# Altium PCB 1166V31.PcbDoc (part 6 of 7) (continued)
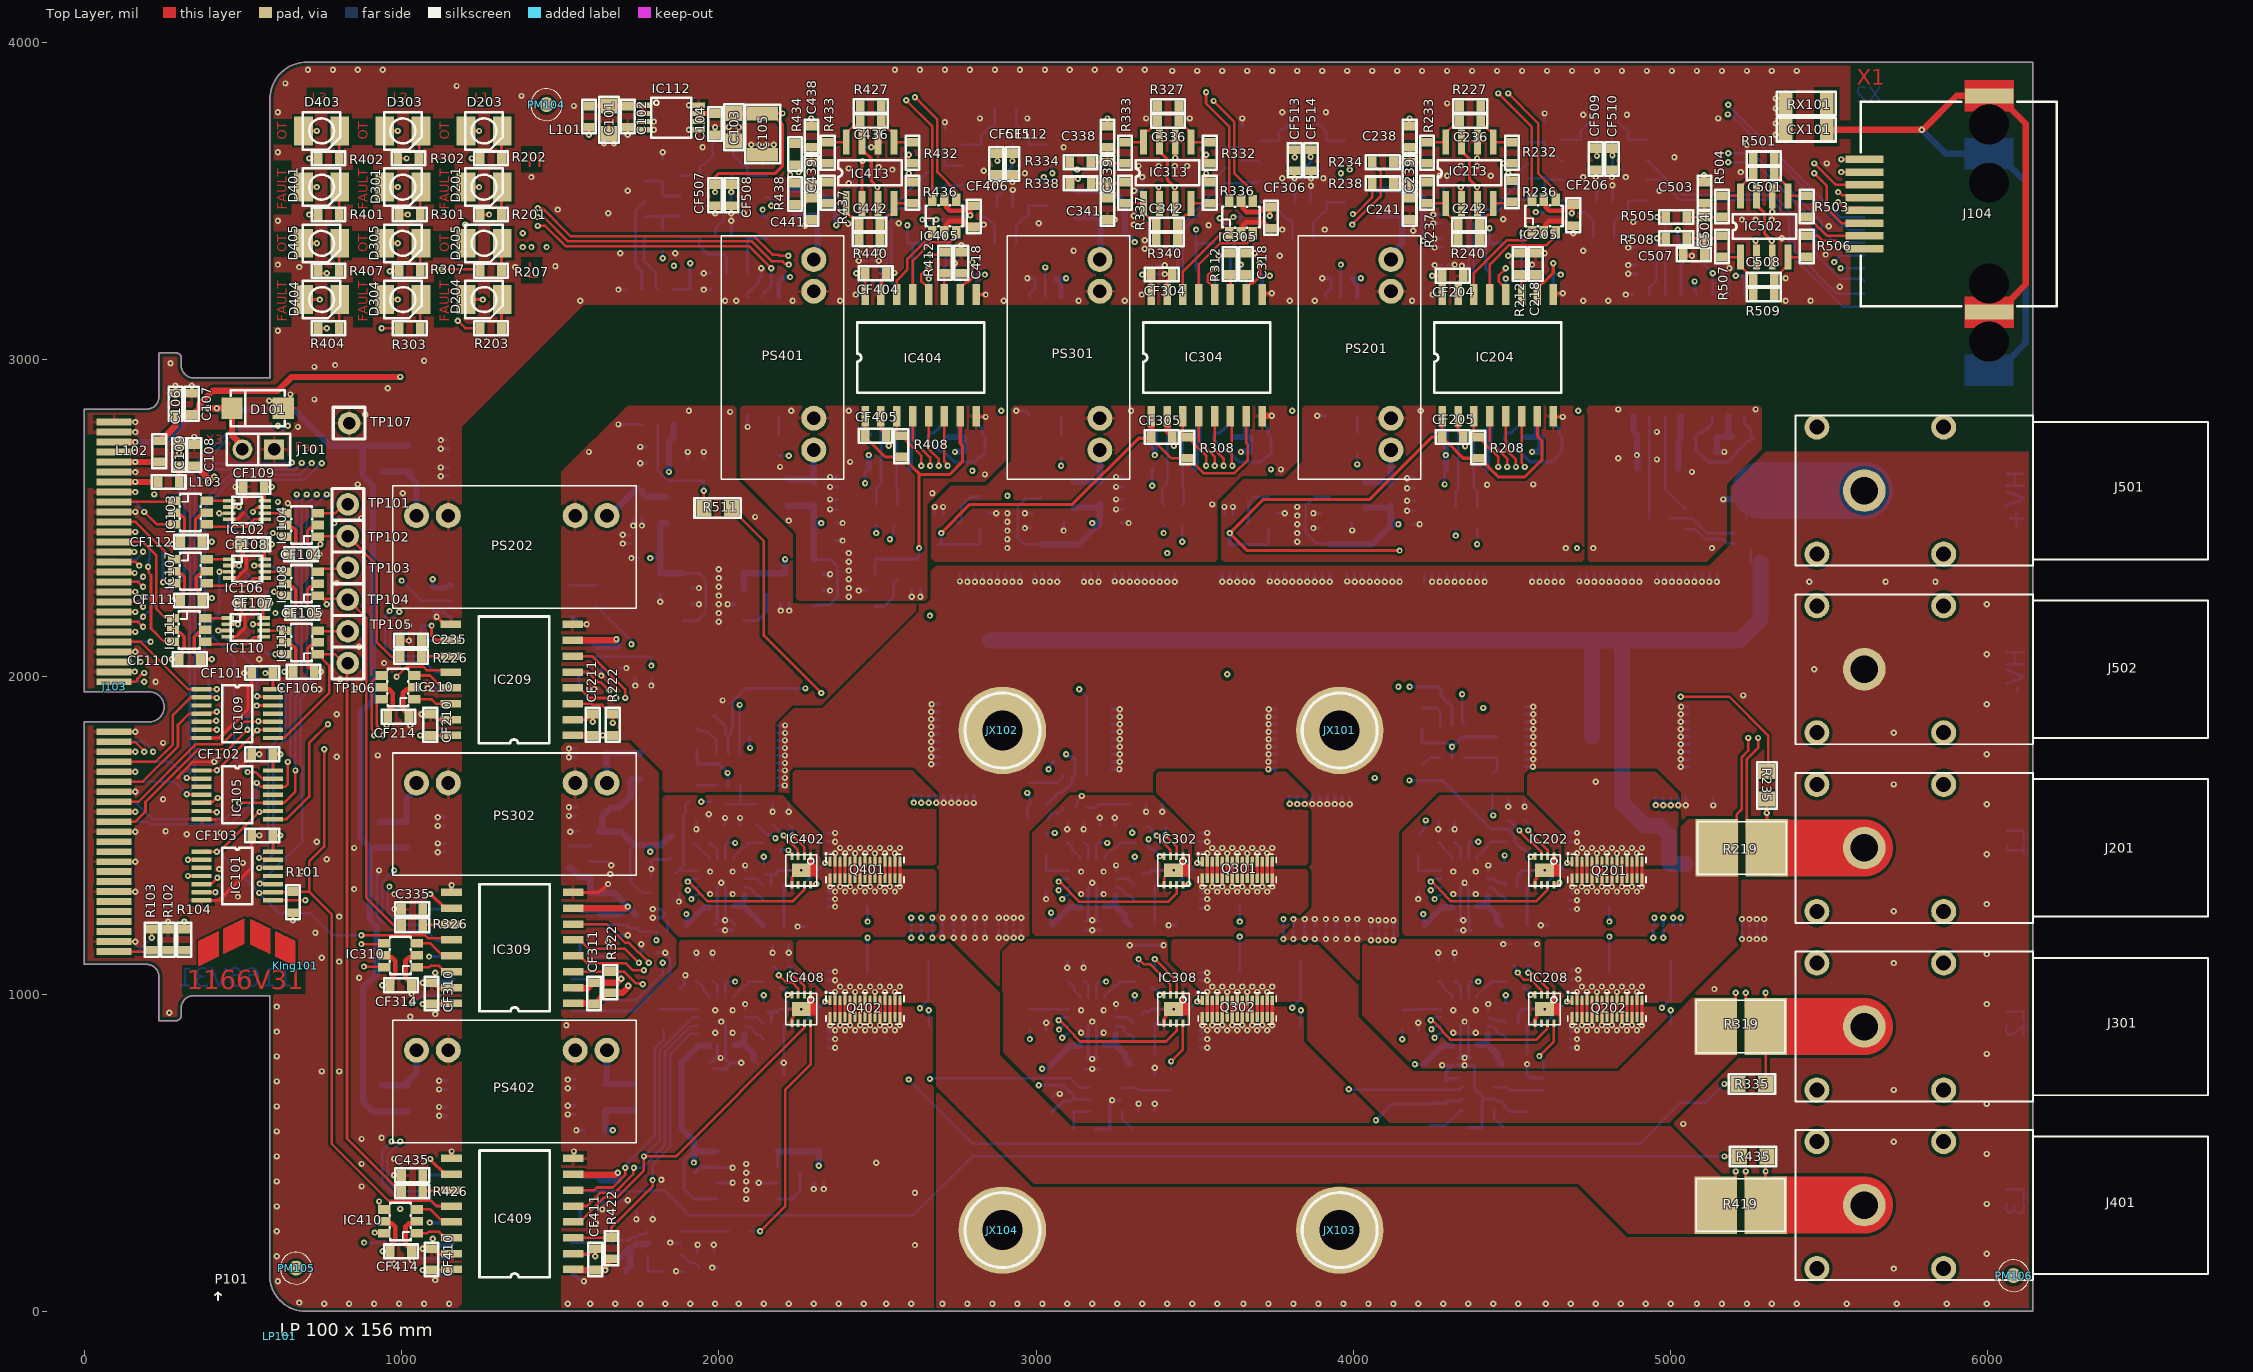
[diagram p0: Top Layer view]
## Nets (pads, with @x,y where several pads share a name; then routed paths per layer and width w, separated by ;. In a path a pad name is that pad's centre, name@x,y a point inside that pad or via, vN(x,y) a via of type N, cw(c..) or ccw(c..) an arc to the next point about the centre after c; other vN are vias at no path point) (continued)
  Top Layer w8: J103.45@93.96,2110.06 177.95,2110.06 327.38,1960.63 IC109.1@370.08,1960.63 370.14,1960.69 v1@413.32,1960.69 ; IC101.1@370.08,1448.82 372.97,1451.71 388.72,1451.71 391.61,1448.82 v1(417.32,1448.82) 419.56,1451.05 427.43,1451.05 550.2,1573.82 v1(552.17,1573.82) ; IC105.1@370.08,1704.72 v1@417.32,1704.72 ; v1@418.25,1704.72 544.19,1830.66 v1(545.12,1830.66) ; v1@545.28,1832.68 IC109.9@594.49,1832.68 ; v1(551.18,1318.77) 552.23,1319.82 593.44,1319.82 IC101.9@594.49,1320.87 R101.1@655.51,1320.87 ; v1@551.18,1574.8 552.17,1575.79 593.5,1575.79 IC105.9@594.49,1576.77 ; R101.1@657.48,1322.83 708.66,1322.83 ; v1(755.91,1771.65) 755.91,1464.57 708.66,1417.32 708.66,1322.83 ; v1(873.54,1185.17) 873.66,1185.05 1074.9,1185.05 1084.4,1175.55 1152.41,1175.55 IC309.12@1157.48,1170.47 ; v1(984.25,2000) 1015.75,2031.5 1068.71,2031.5 1080.27,2019.94 1150.54,2019.94 IC209.12@1155.51,2014.96 ; IC409.12@1157.48,331.89 1110.04,331.89 1093.7,348.24 959.46,348.24 779.53,528.17 779.53,1251.97 708.66,1322.83 ; IC404.12@2661.02,3204.72 2661.02,3225.39 2653.21,3233.2 2652.62,3233.2 2637.8,3248.03 2637.8,3267.72 v1(2661.42,3291.34) ; IC304.12@3562.6,3204.72 3562.6,3225.39 3554.79,3233.2 3553.55,3233.2 3540.76,3246 3540.76,3265.17 v1(3562.99,3287.4) ; IC204.12@4479.92,3204.72 4479.92,3225.39 4472.11,3233.2 4470.87,3233.2 4458.08,3246 4458.08,3265.17 v1(4480.32,3287.4)
  Layer 2 w8: v1(417.32,1960.76) 420.48,1960.76 v1@424.55,1956.69 ; v1(417.99,1705.4) 420.59,1705.4 v1(552.17,1573.82) ; v1@424.59,1956.69 450.79,1930.5 450.79,1927.16 545.12,1832.83 v1(545.12,1830.66) ; v1(1858.27,3295.28) 1892.45,3329.46 2191.22,3329.46 2247.59,3385.83 2566.93,3385.83 v1(2661.42,3291.34) 2759.84,3389.76 3244.09,3389.76 3311.02,3322.83 3444.88,3322.83 3480.31,3287.4 v1(3562.99,3287.4) 3578.74,3303.15 3594.49,3303.15 3677.17,3385.83 4165.35,3385.83 4228.35,3322.83 4444.88,3322.83 v1(4480.32,3287.4)
  Layer 3 w8: v1(755.91,1771.65) v1(984.25,2000)
  Layer 5 w8: v1(984.25,2000) 1044.83,2060.58 1044.83,2226.38 978.16,2293.06 978.16,2630.86 1642.57,3295.28 v1(1858.27,3295.28)
  Bottom Layer w8: v1(417.32,1448.82) 421.26,1448.82 551.18,1318.9 v1(551.18,1318.77) 615.83,1254.13 714.14,1254.13 783.1,1185.17 v1(873.54,1185.17)
PWM_H1: IC101.6 IC104.3 R212.2 TP101.1 | length 5663.7
  Top Layer w8: IC101.6@370.08,1320.87 v1(413.39,1320.87) ; IC104.3@735.86,2515.75 791.19,2515.75 818.75,2543.31 TP101.1@830.71,2543.31 ; v1(4488.19,3326.77) 4515.75,3326.77 R212.2@4523.62,3334.65
  Layer 3 w8: v1(413.39,1320.87) 415.62,1323.1 432.73,1323.1 466.35,1356.72 466.35,1862.77 472.44,1868.86 472.44,2012.29 651.89,2191.74 651.89,2380.24 814.96,2543.31 TP101.1@830.71,2543.31
  Layer 5 w8: TP101.1@830.71,2543.31 912.88,2625.48 912.88,2658.92 1652.29,3398.33 3357.57,3398.33 3374.02,3381.89 4173.23,3381.89 4228.35,3326.77 v1(4488.19,3326.77)
PWM_H1#: IC103.1 J103.17 | length 191.2
  Top Layer w8: J103.17@93.96,2551 279.35,2551 IC103.1@283.46,2555.12
PWM_H2: IC105.6 IC108.3 R312.2 TP103.1 | length 4515.4
  Top Layer w8: IC105.6@370.08,1576.77 371.95,1574.9 415.45,1574.9 v1(417.32,1573.02) ; IC108.3@735.86,2330.71 745.36,2340.21 827.61,2340.21 TP103.1@830.71,2343.31 ; v1(3574.8,3326.77) 3602.36,3326.77 R312.2@3610.24,3334.65
  Layer 2 w8: v1(602.36,2200.79) 602.36,2203.95 608.2,2209.79 608.2,2214.5 737.01,2343.31 TP103.1@830.71,2343.31
  Layer 3 w8: v1(417.32,1573.02) 419.56,1575.26 437.46,1575.26 450.35,1588.14 450.35,1869.4 456.44,1875.49 456.44,2018.92 602.36,2164.84 v1(602.36,2200.79)
  Layer 5 w8: TP103.1@830.71,2343.31 928.88,2441.48 928.88,2652.3 1658.92,3382.33 3267.28,3382.33 3322.83,3326.77 v1(3574.8,3326.77)
PWM_H2#: IC107.1 J103.21 | length 239.6
  Top Layer w8: J103.21@93.96,2488.01 161.59,2488.01 260.78,2388.83 260.78,2386.76 277.46,2370.08 IC107.1@283.46,2370.08
PWM_H3: IC109.6 IC113.3 R412.2 TP105.1 | length 3319.1
  Top Layer w8: IC109.6@370.08,1832.68 v1@413.39,1832.68 ; IC113.3@735.86,2145.67 738.22,2143.31 TP105.1@830.71,2143.31 ; v1(2665.35,3330.58) 2704.6,3330.58 R412.2@2712.6,3338.58
  Layer 5 w8: v1@413.39,1832.68 466.53,1832.68 521.34,1887.48 574.88,1887.48 TP105.1@830.71,2143.31 944.88,2257.48 944.88,2645.67 1665.54,3366.33 2629.61,3366.33 v1(2665.35,3330.58)
  other v1: 417.32,1832.68
PWM_H3#: IC111.1 J103.25 | length 383.8
  Top Layer w8: J103.25@93.96,2425.02 184.61,2425.02 226.19,2383.44 226.19,2214.76 251.97,2188.98 275.59,2188.98 IC111.1@279.53,2185.04
PWM_L1: IC101.8 IC104.1 R226.2 TP102.1 | length 1833.6
  Top Layer w8: IC101.8@594.49,1295.27 v1(696.85,1295.28) ; v1(744.09,2417.32) 744.09,2432.51 IC104.1@735.86,2440.75 738.42,2443.31 TP102.1@830.71,2443.31 921.26,2352.76 921.26,2110.24 968.5,2062.99 R226.2@996.06,2062.99
  Layer 3 w8: v1(696.85,1295.28) 708.66,1307.09 708.66,2385.22 731.11,2407.67 731.28,2407.67 740.93,2417.32 v1(744.09,2417.32)
PWM_L1#: IC103.3 J103.18 | length 220
  Top Layer w8: v1(188.98,2519.69) 228.54,2480.12 IC103.3@283.46,2480.12
  Bottom Layer w8: J103.18@93.96,2551 159.57,2551 188.98,2521.6 v1(188.98,2519.69)
PWM_L2: IC105.8 IC108.1 R326.2 TP104.1 | length 2001
  Top Layer w8: IC105.8@594.49,1551.18 637.69,1551.18 708.66,1622.15 708.66,1791.34 v1(767.72,1850.39) ; IC108.1@735.86,2255.71 741.86,2255.71 IC108.1@751.36,2246.21 ; v1@761.54,2236.02 IC108.1@751.36,2246.21 ; R326.2@1000,1216.54 976.38,1216.54 887.98,1304.93 887.98,2186.03 TP104.1@830.71,2243.31 827.81,2246.21 IC108.1@751.36,2246.21
  Layer 2 w8: v1(763.78,2228.35) 766.02,2226.11 766.02,2214.3 767.72,2212.6 v1(767.72,1850.39)
PWM_L2#: IC107.3 J103.22 | length 330.3
  Top Layer w8: v1(248.03,2297.61) 280.93,2297.61 IC107.3@283.46,2295.08
  Bottom Layer w8: J103.22@93.96,2488.01 161.59,2488.01 248.03,2401.57 v1(248.03,2297.61)
PWM_L3: IC109.8 IC113.1 R426.2 TP106.1 | length 2219.8
  Top Layer w8: IC109.8@594.49,1807.09 629.92,1807.09 771.65,1948.82 771.65,2034.87 751.36,2055.17 751.36,2061.17 IC113.1@741.86,2070.67 ; IC113.1@735.86,2070.67 IC113.1@741.86,2070.67 ; R426.2@1000,377.95 1000,381.89 990.22,391.67 980.38,391.67 827.93,544.12 827.93,2040.53 TP106.1@830.71,2043.31 818.35,2043.31 790.99,2070.67 IC113.1@741.86,2070.67
PWM_L3#: IC111.3 J103.26 | length 466
  Top Layer w8: v1(200.79,2346.46) 203.02,2344.22 203.02,2327.78 210.19,2320.61 210.19,2152.02 251.97,2110.24 279.33,2110.24 IC111.3@279.53,2110.04
  Bottom Layer w8: J103.26@93.96,2425.02 184.61,2425.02 206.88,2402.75 206.88,2372.3 202.88,2368.3 202.88,2348.55 v1(200.79,2346.46)
Ref_2V5: C103.2 C104.2 C105.2 CF212.1 CF312.1 CF412.1 CF501.1 CF507.1 CF509.1 CF511.1 CF513.1 IC112.6 IC112.7 IC213.2 IC313.2 IC413.2 IC502.2 IC504.2 IC505.2 IC506.2 IC507.2 | length 5282.8
  Top Layer w10: v1(1988.19,3527.84) CF507.1@1988.19,3551.18 1988.19,3574.8 2000,3586.61 2177.17,3586.61 2200.79,3610.24 2200.79,3740.16 C105.2@2165.35,3775.59 ; C105.2@2137.8,3775.59 C105.2@2165.35,3775.59 ; v1(2200.79,3775.59) C105.2@2165.35,3775.59 ; IC413.2@2451.57,3492.13 2451.57,3624.8 v1(2452.76,3625.98) ; CF511.1@2874.02,3649.61 2877.95,3645.67 v1(2877.95,3625.98) ; v1(3385.83,3543.31) 3387.2,3541.93 3387.2,3493.5 IC313.2@3388.58,3492.13 ; v1(3814.96,3637.8) CF513.1@3814.96,3661.42 ; v1(4338.58,3543.31) 4339.76,3542.13 4339.76,3493.31 IC213.2@4340.94,3492.13 ; CF509.1@4763.78,3665.35 4767.72,3661.42 v1(4767.72,3641.73) ; v1(5267.72,3374.02) 5268.9,3372.83 5268.9,3324.02 IC502.2@5270.08,3322.83
  Top Layer w15: IC112.6@1937.01,3750 IC112.7@1937.01,3775.59 C104.2@1988.19,3775.59 C103.2@2047.24,3775.59 C105.2@2137.8,3775.59
  Layer 4 w10: v1(2200.79,3775.59) 2271.65,3704.72 2452.76,3704.72 ; v1(2452.76,3625.98) 2452.76,3704.72 ; v1(2877.95,3625.98) 2877.95,3704.72 ; v1(3385.83,3543.31) 3384.61,3544.53 3384.61,3568.15 3354.33,3598.43 3354.33,3704.72 ; v1(3814.96,3637.8) 3814.96,3704.72 ; v1(4338.58,3543.31) 4338.58,3574.8 4303.15,3610.24 4303.15,3704.72 ; v1(4767.72,3641.73) 4767.72,3700.79 4763.78,3704.72 ; v1(5267.72,3374.02) 5232.28,3374.02 4901.57,3704.72 4763.78,3704.72 ; 2452.76,3704.72 2877.95,3704.72 ; 2877.95,3704.72 3354.33,3704.72 ; 3354.33,3704.72 3814.96,3704.72 ; 3814.96,3704.72 4303.15,3704.72 ; 4303.15,3704.72 4763.78,3704.72
  Bottom Layer w10: v1(1988.19,3527.84) 1988.78,3528.43 1988.78,3578.15 IC504.2@1989.37,3578.74 ; CF412.1@2452.76,3602.36 v1(2452.76,3625.98) ; IC506.2@2876.38,3677.17 2877.95,3675.59 2877.17,3674.8 2877.17,3626.77 v1(2877.95,3625.98) ; CF312.1@3385.83,3519.69 v1(3385.83,3543.31) ; v1(3814.96,3637.8) IC507.2@3814.96,3688.98 ; CF212.1@4338.58,3519.69 v1(4338.58,3543.31) ; IC505.2@4766.54,3692.91 4767.13,3692.32 4767.13,3642.32 v1(4767.72,3641.73) ; CF501.1@5267.72,3350.39 v1(5267.72,3374.02)
SW_L1: C225.1 D206.2 IC206.7 Q202.3 Q202.4 Q202.7 Q202.8 Q202.11 Q202.12 Q202.15 Q202.16 Q202.19 Q202.20 Q202.23 Q202.24 Q202.27 Q202.28 R216.1 R217.1 R219.2 | length 3083.1
  Top Layer w8: R219.2@5145.67,1460.63 5208.6,1523.56 5208.6,1566.87 5224.41,1582.68 5224.41,1747.04 5244.09,1766.72 v1(5244.09,1807.09)
  Top Layer w10: Q202.4@4704.72,927.95 Q202.3@4704.72,980.31 v1(4704.72,1006.69) ; Q202.8@4736.22,927.95 Q202.7@4736.22,980.31 v1(4736.22,1006.69) ; Q202.12@4767.72,927.95 Q202.11@4767.72,980.31 v1(4767.72,1006.69) ; Q202.16@4799.21,927.95 Q202.15@4799.21,980.31 v1(4799.21,1006.69) ; Q202.20@4830.71,927.95 Q202.19@4830.71,980.31 v1(4830.71,1006.69) ; Q202.24@4862.2,927.95 Q202.23@4862.2,980.31 v1(4862.2,1006.69) ; Q202.28@4893.7,927.95 Q202.27@4893.7,980.31 v1(4893.7,1006.69)
  Layer 3 w8: v1@4397.64,1480.31 4665.61,1212.35 4775.84,1212.35 v1(4807.09,1181.1)
  Layer 5 w8: v1(4389.76,2417.32) 4440.94,2366.14 4440.94,2291.34 4496.31,2235.97 5032.74,2235.97 5259.59,2009.12 5259.59,1822.58 v1(5244.09,1807.09) ; v1(4393.7,1480.31) v1@4397.64,1480.31
  Bottom Layer w8: IC206.7@4363.19,1425.2 4363.19,1477.36 C225.1@4366.14,1480.31 v1(4393.7,1480.31) ; v1(4389.76,2417.32) R217.1@4389.76,2468.5 ; R216.1@4807.09,1070.87 v1(4807.09,1181.1)
  Bottom Layer w10: D206.2@4681.1,1006.69 v1(4704.72,1006.69) ; D206.2@4685.04,1047.24 v1(4708.66,1047.24) ; D206.2@4685.04,1074.8 v1(4708.66,1074.8)
  other v1: 4720.47,1023.62 4751.97,1023.62 4783.46,1023.62 4814.96,1023.62 4846.46,1023.62 4877.95,1023.62 4909.45,1023.62
SW_L2: C325.1 D306.2 IC306.7 Q302.3 Q302.4 Q302.7 Q302.8 Q302.11 Q302.12 Q302.15 Q302.16 Q302.19 Q302.20 Q302.23 Q302.24 Q302.27 Q302.28 R316.1 R317.1 R319.2 | length 4508.6
  Top Layer w8: R319.2@5141.73,897.64 5204.66,960.57 v1@5204.66,1003.87
  Top Layer w10: Q302.4@3539.37,927.95 Q302.3@3539.37,980.31 v1(3539.37,1006.69) ; Q302.8@3570.87,927.95 Q302.7@3570.87,980.31 v1(3570.87,1006.69) ; Q302.12@3602.36,927.95 Q302.11@3602.36,980.31 v1(3602.36,1006.69) ; Q302.16@3633.86,927.95 Q302.15@3633.86,980.31 v1(3633.86,1006.69) ; Q302.20@3665.35,927.95 Q302.19@3665.35,980.31 v1(3665.35,1006.69) ; Q302.24@3696.85,927.95 Q302.23@3696.85,980.31 v1(3696.85,1006.69) ; Q302.28@3728.35,927.95 Q302.27@3728.35,980.31 v1(3728.35,1006.69)
  Layer 3 w8: v1(3224.41,1476.38) 3488.44,1212.35 3610.49,1212.35 v1(3641.73,1181.1)
  Layer 4 w8: v1@3460.63,2422.03 v1(3460.63,2425.2)
  Layer 5 w8: v1@3460.63,2422.03 3468.25,2414.41 3468.25,2267.97 3575.06,2161.17 4988.44,2161.17 5157.7,1991.91 5157.7,1050.96 v1(5204.72,1003.94)
  Bottom Layer w8: IC306.7@3189.96,1425.2 3189.96,1469.49 C325.1@3196.85,1476.38 v1(3224.41,1476.38) ; v1(3460.63,2425.2) R317.1@3460.63,2476.38 ; R316.1@3641.73,1070.87 v1(3641.73,1181.1)
  Bottom Layer w10: D306.2@3515.75,1006.69 v1(3539.37,1006.69) ; D306.2@3515.75,1043.31 v1(3539.37,1043.31) ; D306.2@3515.75,1066.93 v1(3539.37,1066.93)
  other v1: 3555.12,1023.62 3586.61,1023.62 3618.11,1023.62 3649.61,1023.62 3681.1,1023.62 3712.6,1023.62 3744.09,1023.62
SW_L3: C425.1 D406.2 IC406.7 Q402.3 Q402.4 Q402.7 Q402.8 Q402.11 Q402.12 Q402.15 Q402.16 Q402.19 Q402.20 Q402.23 Q402.24 Q402.27 Q402.28 R416.1 R417.1 R419.2 | length 5861.7
  Top Layer w8: R419.2@5141.73,334.65 5204.66,397.57 v1@5204.66,440.88
  Top Layer w10: Q402.4@2366.14,927.95 Q402.3@2366.14,980.31 v1(2366.14,1006.69) ; Q402.8@2397.64,927.95 Q402.7@2397.64,980.31 v1(2397.64,1006.69) ; Q402.12@2429.13,927.95 Q402.11@2429.13,980.31 v1(2429.13,1006.69) ; Q402.16@2460.63,927.95 Q402.15@2460.63,980.31 v1(2460.63,1006.69) ; Q402.20@2492.13,927.95 Q402.19@2492.13,980.31 v1(2492.13,1006.69) ; Q402.24@2523.62,927.95 Q402.23@2523.62,980.31 v1(2523.62,1006.69) ; Q402.28@2555.12,927.95 Q402.27@2555.12,980.31 v1(2555.12,1006.69)
  Layer 3 w8: v1(2051.18,1476.38) 2315.21,1212.35 2433.32,1212.35 v1(2468.5,1177.17)
  Layer 5 w8: v1(2539.37,2433.07) 2539.37,2385.83 2842.52,2082.68 4952.76,2082.68 5074.55,1960.88 5074.55,946.13 5204.72,815.96 v1(5204.72,440.94)
  Bottom Layer w8: IC406.7@2020.67,1425.2 2020.67,1469.49 C425.1@2027.56,1476.38 v1(2051.18,1476.38) ; R416.1@2468.5,1070.87 v1(2468.5,1177.17) ; v1(2539.37,2433.07) 2539.37,2436.23 2549.28,2446.14 2549.28,2470.54 R417.1@2555.12,2476.38
  Bottom Layer w10: D406.2@2342.52,1006.69 v1(2366.14,1006.69) ; D406.2@2342.52,1043.31 v1(2366.14,1043.31) ; D406.2@2342.52,1070.87 v1(2366.14,1070.87)
  other v1: 2381.89,1023.62 2413.39,1023.62 2444.88,1023.62 2476.38,1023.62 2507.87,1023.62 2539.37,1023.62 2570.87,1023.62
U_DC_N: J102.8 R518.2 | length 3770.8
  Layer 2 w8: v1(2165.35,3484.25) 2209.66,3484.25 2438.25,3712.85 3591.8,3712.85 3611.23,3732.28 4216.54,3732.28 4267.97,3783.72 4555.37,3783.72 4586.61,3814.96 5166.17,3814.96 5177.96,3803.17 v1(5181.12,3803.17)
  Bottom Layer w8: R518.2@2149.61,3511.81 2153.54,3511.81 2163.32,3502.03 2163.32,3498.09 2165.35,3496.06 v1(2165.35,3484.25) ; v1(5181.12,3803.17) 5181.12,3802.13 5535.62,3447.64 J102.8@5610.04,3447.64
U_DC_P: J102.7 R512.2 | length 3810
  Layer 2 w8: v1(2137.8,3472.44) 2140.96,3472.44 2152.77,3460.63 2208.66,3460.63 2444.88,3696.85 3598.43,3696.85 3617.86,3716.28 4224.16,3716.28 4275.59,3767.72 4562,3767.72 4593.24,3798.96 5153.87,3798.96 5180.1,3772.73 v1(5180.1,3772.26)
  Bottom Layer w8: v1(5180.1,3772.26) 5182.11,3770.26 5190.37,3770.26 5537,3423.63 5545.86,3423.63 5562.01,3407.48 J102.7@5610.04,3407.48
  Bottom Layer w10: v1(2137.8,3472.44) 2137.8,3457.6 2146.57,3448.82 R512.2@2149.61,3448.82
U_L1_N: J104.2 R236.2 | length 1219.4
  Top Layer w8: v1(4487.81,3586.49) 4487.81,3559.43 R236.2@4488.19,3559.06 ; v1(5537.6,3590.55) J104.2@5611.02,3590.55
  Layer 2 w8: v1(4487.81,3586.49) 4487.81,3589.65 4500.27,3602.11 4988.44,3602.11 5066.93,3523.62 5470.67,3523.62 v1(5537.6,3590.55)
U_L1_P: J104.1 R232.2 | length 1246.7
  Top Layer w8: v1(4472.44,3618.11) R232.2@4500,3618.11 ; v1(5537.6,3630.71) J104.1@5611.02,3630.71
  Layer 2 w8: v1(4472.44,3618.11) 4995.07,3618.11 5073.56,3539.62 5464.04,3539.62 5515.76,3591.34 5515.76,3608.87 v1(5537.6,3630.71)
U_L2_N: J104.6 R336.2 | length 2318.3
  Top Layer w8: v1(3535.45,3586.49) 3535.45,3559.43 R336.2@3535.83,3559.06 ; v1(5452.76,3586.61) 5492.13,3547.24 5492.13,3476.38 5538.58,3429.92 J104.6@5611.02,3429.92
  Layer 2 w8: v1(3535.45,3586.49) 3558.93,3586.49 3637.8,3665.35 4244.09,3665.35 4296.53,3717.79 5239.9,3717.79 5371.07,3586.61 v1(5452.76,3586.61)
U_L2_P: J104.3 R332.2 | length 2215.6
  Top Layer w8: R332.2@3535.83,3618.11 v1(3535.83,3645.67) ; v1(5452.76,3618.11) 5520.47,3550.39 J104.3@5611.02,3550.39
  Layer 2 w8: v1(3535.83,3645.67) 3594.49,3645.67 3630.17,3681.35 4236.47,3681.35 4289.37,3734.25 5246.06,3734.25 5362.2,3618.11 v1(5452.76,3618.11)
U_L3_N: J104.5 R436.2 | length 3198.5
  Top Layer w8: v1(2598.44,3586.49) 2598.44,3559.43 R436.2@2598.82,3559.06 ; v1(5527.56,3496.06) 5545.54,3478.09 5603.02,3478.09 J104.5@5611.02,3470.08
  Layer 2 w8: v1(2598.44,3586.49) v1@2598.69,3586.49
  Layer 5 w8: v1(2598.44,3586.49) 2641.62,3629.67 2732.28,3629.67 2821.65,3719.04 5014.24,3719.04 5221.47,3511.81 5511.81,3511.81 v1(5527.56,3496.06)
U_L3_P: J104.4 R432.2 | length 3169.9
  Top Layer w8: R432.2@2598.82,3618.11 v1(2598.82,3645.67) ; v1(5527.56,3527.56) 5530.72,3527.56 5540.04,3518.24 5603.02,3518.24 J104.4@5611.02,3510.24
  Layer 5 w8: v1(2598.82,3645.67) 2724.41,3645.67 2813.78,3735.04 5020.87,3735.04 5228.09,3527.81 5527.31,3527.81 v1(5527.56,3527.56)
pads on no net: IC101.3 IC101.11 IC105.3 IC105.11 IC109.3 IC109.11 IC202.6 IC203.4 IC208.6 IC214.2 IC216.2 IC302.6 IC303.4 IC308.6 IC314.2 IC316.2 IC402.6 IC403.4 IC408.6 IC414.2 IC416.2 IC501.4 J103.49 J103.77 J103.78 J103.79 J103.80 J103.83 J103.84 J103.85 J103.86 J103.89 J103.90 J103.91 J103.92 J103.93 J103.94 J103.95 J103.96 J201.0 J301.0 J401.0 J501.0 J502.0 PM101.0 PM102.0 PM103.0 PM104.0 PM105.0 PM106.0 Q201. Q202. Q301. Q302. Q401. Q402.
copper on no net:
  other v1: 2909.45,2570.87

## Polygon pours and split planes (outlines as drawn)
M5 on Layer 1 "M5_L02_P150" (solid, remove dead copper, pour order 150): 1503.94,909.45 1511.81,917.32 1704.72,917.32 1874.02,1086.61 1874.02,1161.42 1881.89,1169.29 2578.74,1169.29 2578.74,1051.18 2677.17,952.76 2677.17,0 1503.94,0
M3 on Layer 1 "M3_L02_P149" (solid, remove dead copper, pour order 149): 1503.94,1779.53 1515.75,1791.34 1716.54,1791.34 1811.02,1696.85 1811.02,1228.35 1866.14,1173.23 1866.14,1090.55 1700.79,925.2 1511.81,925.2 1503.94,933.07
M1 on Layer 1 "M1_L02_P147" (solid, remove dead copper, pour order 147): 18 vertices, not listed, extent 1503.94,1633.86 2232.28,2854.33
M1 on Layer 1 "M1_L02_P155" (solid, remove dead copper, pour order 155): 4157.48,1173.23 4149.61,1165.35 4149.61,795.28 4177.17,767.72 4177.17,673.23 5015.75,673.23 5015.75,960.63 4917.32,1059.06 4917.32,1165.35 4909.45,1173.23
M3 on Layer 1 "M3_L02_P154" (solid, remove dead copper, pour order 154): 2972.44,1165.35 2972.44,759.84 3062.99,669.29 3775.59,669.29 3775.59,716.54 3846.46,787.4 3846.46,960.63 3751.97,1055.12 3751.97,1165.35 3744.09,1173.23 2980.31,1173.23
MP on Layer 1 "MP_L02_P153" (solid, remove dead copper, pour order 153): 3035.43,665.35 5047.24,665.35 5062.99,649.61 5062.99,0 3035.43,0
M2 on Layer 1 "M2_L02_P152" (solid, remove dead copper, pour order 152): 4157.48,1181.1 4145.67,1192.91 4145.67,1503.94 4267.72,1625.98 4523.62,1625.98 4720.47,1429.13 4905.51,1429.13 4917.32,1417.32 4917.32,1181.1
M4 on Layer 1 "M4_L02_P151" (solid, remove dead copper, pour order 151): 2984.25,1181.1 2976.38,1188.98 2976.38,1488.19 3114.17,1625.98 3370.08,1625.98 3562.99,1433.07 3744.09,1433.07 3751.97,1425.2 3751.97,1188.98 3744.09,1181.1
M6 on Layer 1 "M6_L02_P148" (solid, remove dead copper, pour order 148): 1830.71,1625.98 2200.79,1625.98 2393.7,1433.07 2566.93,1433.07 2578.74,1421.26 2578.74,1185.04 2570.87,1177.17 1877.95,1177.17 1822.83,1232.28 1822.83,1618.11
M6 on Layer 1 "M6_L02_P144" (solid, remove dead copper, pour order 144): 2066.93,2846.46 2074.8,2854.33 2901.57,2854.33 2909.45,2846.46 2909.45,2685.04 2838.58,2614.17 2728.35,2614.17 2657.48,2543.31 2657.48,2267.72 2334.65,1944.88 2259.84,1944.88 2244.09,1960.63 2244.09,2452.76 2066.93,2629.92
MP on Layer 1 "MP_L02_P081" (solid, remove dead copper, pour order 81): 50 vertices, not listed, extent 2192.91,0 6141.73,2704.72
GND on Layer 1 "GND_L02_P039" (solid, remove dead copper, pour order 39): 22 vertices, not listed, extent 0,0 6141.73,3937.01
M2 on Layer 1 "M2_L02_P146" (solid, remove dead copper, pour order 146): 3838.58,2846.46 3846.46,2854.33 4720.47,2854.33 4728.35,2846.46 4728.35,2370.08 4720.47,2362.2 3590.55,2362.2 3582.68,2370.08 3582.68,2551.18 3653.54,2622.05 3783.46,2622.05 3838.58,2677.17
M4 on Layer 1 "M4_L02_P145" (solid, remove dead copper, pour order 145): 17 vertices, not listed, extent 2669.29,2362.2 3826.77,2854.33
M7 on Layer 1 "M7_L02_P157" (solid, remove dead copper, pour order 157): 4744.09,2854.33 4736.22,2846.46 4736.22,2370.08 4744.09,2362.2 5114.17,2362.2 5177.17,2425.2 5177.17,2606.3 5287.4,2716.54 5287.4,2846.46 5279.53,2854.33
MP on Layer 5 "MP_L06_P168" (solid, remove dead copper, pour order 168): 6141.73,2708.66 5299.21,2708.66 5153.54,2854.33 1712.6,2854.33 1503.94,2645.67 1503.94,0 6141.73,0
GND on Layer 5 "GND_L06_P042" (solid, remove dead copper, pour order 42): 22 vertices, not listed, extent 0,0 6141.73,3937.01
M7 on Layer 5 "M7_L06_P161" (solid, remove dead copper, pour order 161): 4744.09,2854.33 4736.22,2846.46 4736.22,2370.08 4744.09,2362.2 5114.17,2362.2 5177.17,2425.2 5177.17,2606.3 5287.4,2716.54 5287.4,2846.46 5279.53,2854.33
MP on Layer 4 "MP_L05_P169" (solid, remove dead copper, pour order 169): 21 vertices, not listed, extent 2649.61,0 6141.73,2708.66
M5 on Layer 4 "M5_L05_P166" (solid, remove dead copper, pour order 166): 1503.94,1023.62 1688.98,838.58 1688.98,688.98 1885.83,492.13 2519.69,492.13 2637.8,374.02 2637.8,0 1503.94,0
M7 on Layer 4 "M7_L05_P160" (solid, remove dead copper, pour order 160): 4744.09,2854.33 4736.22,2846.46 4736.22,2370.08 4744.09,2362.2 5114.17,2362.2 5177.17,2425.2 5177.17,2606.3 5287.4,2716.54 5287.4,2846.46 5279.53,2854.33
DC on Layer 4 "DC_L05_P143" (solid, remove dead copper, pour order 143): 4696.85,1437.01 4712.6,1421.26 5173.23,1421.26 5185.04,1433.07 5185.04,1673.23 5173.23,1685.04 4748.03,1685.04 4736.22,1673.23 4692.91,1629.92 4692.91,1440.94 4700.79,1433.07
DC on Layer 4 "DC_L05_P136" (solid, remove dead copper, pour order 136): 3553.94,1429.13 3732.28,1429.13 4090.55,1429.13 4098.43,1437.01 4098.43,1748.03 3602.36,2244.09 3586.61,2244.09 3578.74,2236.22 3578.74,1940.94 3531.5,1893.7 3531.5,1451.57
DC on Layer 4 "DC_L05_P135" (solid, remove dead copper, pour order 135): 2354.33,1444.88 2370.08,1429.13 2929.13,1429.13 2937.01,1437.01 2937.01,1956.69 2673.23,2220.47 2657.48,2220.47 2354.33,1917.32 2354.33,1751.97
SW_L1 on Layer 4 "SW_L1_L05_P134" (solid, remove dead copper, pour order 134): 4602.36,1165.35 4610.24,1173.23 5177.17,1173.23 5185.04,1165.35 5185.04,984.25 5169.29,968.5 4716.54,968.5 4602.36,1082.68 4602.36,1098.43
SW_L2 on Layer 4 "SW_L2_L05_P133" (solid, remove dead copper, pour order 133): 3433.07,1173.23 4200.79,1173.23 4208.66,1165.35 4208.66,1153.54 4000,944.88 3818.9,944.88 3795.28,968.5 3562.99,968.5 3425.2,1106.3 3425.2,1165.35
M5 on Layer 4 "M5_L05_P132" (solid, remove dead copper, pour order 132): 1881.89,1169.29 2897.64,1169.29 2913.39,1153.54 2913.39,897.64 2791.34,775.59 2570.87,775.59 2547.24,751.97 1988.19,751.97 1944.88,795.28 1944.88,988.19 1874.02,1059.06 1874.02,1161.42
M2 on Layer 4 "M2_L05_P125" (solid, remove dead copper, pour order 125): 22 vertices, not listed, extent 3582.68,1181.1 5185.04,2854.33
M4 on Layer 4 "M4_L05_P124" (solid, remove dead copper, pour order 124): 27 vertices, not listed, extent 2669.29,1181.1 4098.43,2854.33
M6 on Layer 4 "M6_L05_P123" (solid, remove dead copper, pour order 123): 23 vertices, not listed, extent 1822.83,1177.17 2937.01,2854.33
M3 on Layer 4 "M3_L05_P122" (solid, remove dead copper, pour order 122): 30 vertices, not listed, extent 1625.98,618.11 3972.44,1594.49
M1 on Layer 4 "M1_L05_P121" (solid, remove dead copper, pour order 121): 33 vertices, not listed, extent 1503.94,385.83 5051.18,1811.02
M1 on Layer 4 "M1_L05_P120" (solid, remove dead copper, pour order 120): 17 vertices, not listed, extent 1503.94,1594.49 2236.22,2854.33
3V3 on Layer 4 "3V3_L05_P044" (solid, remove dead copper, pour order 44): 22 vertices, not listed, extent 0,0 6141.73,3937.01
MP on Layer 6 "MP_L07_P167" (solid, remove dead copper, pour order 167): 6141.73,2708.66 5299.21,2708.66 5153.54,2854.33 1712.6,2854.33 1503.94,2645.67 1503.94,0 6141.73,0
GND on Layer 6 "GND_L07_P051" (solid, remove dead copper, pour order 51): 22 vertices, not listed, extent 0,0 6141.73,3937.01
M2W on Layer 6 "M2W_L07_P104" (solid, remove dead copper, pour order 104): 2448.82,2854.33 2440.94,2846.46 2440.94,2433.07 2448.82,2425.2 2649.61,2425.2 2657.48,2433.07 2657.48,2543.31 2728.35,2614.17 2838.58,2614.17 2909.45,2685.04 2909.45,2846.46 2901.57,2854.33
M2V on Layer 6 "M2V_L07_P100" (solid, remove dead copper, pour order 100): 3342.52,2854.33 3334.65,2846.46 3334.65,2377.95 3342.52,2370.08 3562.99,2370.08 3570.87,2377.95 3570.87,2555.12 3649.61,2633.86 3779.53,2633.86 3826.77,2681.1 3826.77,2846.46 3818.9,2854.33 3814.96,2854.33
M2U on Layer 6 "M2U_L07_P099" (solid, remove dead copper, pour order 99): 4720.47,2854.33 4728.35,2846.46 4728.35,2393.7 4720.47,2385.83 4248.03,2385.83 4240.16,2393.7 4240.16,2846.46 4248.03,2854.33
M7 on Layer 6 "M7_L07_P098" (solid, remove dead copper, pour order 98): 4744.09,2854.33 4736.22,2846.46 4736.22,2393.7 4744.09,2385.83 5137.8,2385.83 5177.17,2425.2 5177.17,2606.3 5287.4,2716.54 5287.4,2846.46 5279.53,2854.33
MP on Layer 3 "MP_L04_P170" (solid, remove dead copper, pour order 170): 21 vertices, not listed, extent 2649.61,0 6141.73,2708.66
M7 on Layer 3 "M7_L04_P158" (solid, remove dead copper, pour order 158): 4744.09,2854.33 4736.22,2846.46 4736.22,2370.08 4744.09,2362.2 5114.17,2362.2 5177.17,2425.2 5177.17,2606.3 5287.4,2716.54 5287.4,2846.46 5279.53,2854.33
DC on Layer 3 "DC_L04_P140" (solid, remove dead copper, pour order 140): 4696.85,1437.01 4712.6,1421.26 5173.23,1421.26 5185.04,1433.07 5185.04,1673.23 5173.23,1685.04 4748.03,1685.04 4736.22,1673.23 4692.91,1629.92 4692.91,1440.94 4700.79,1433.07
DC on Layer 3 "DC_L04_P138" (solid, remove dead copper, pour order 138): 3553.94,1429.13 3732.28,1429.13 4090.55,1429.13 4098.43,1437.01 4098.43,1748.03 3602.36,2244.09 3586.61,2244.09 3578.74,2236.22 3578.74,1940.94 3531.5,1893.7 3531.5,1451.57
DC on Layer 3 "DC_L04_P137" (solid, remove dead copper, pour order 137): 2354.33,1444.88 2370.08,1429.13 2929.13,1429.13 2937.01,1437.01 2937.01,1956.69 2673.23,2220.47 2657.48,2220.47 2354.33,1917.32 2354.33,1751.97
M2 on Layer 3 "M2_L04_P063" (solid, remove dead copper, pour order 63): 22 vertices, not listed, extent 3582.68,1181.1 5185.04,2854.33
M4 on Layer 3 "M4_L04_P062" (solid, remove dead copper, pour order 62): 27 vertices, not listed, extent 2669.29,1181.1 4098.43,2854.33
M5 on Layer 3 "M5_L04_P165" (solid, remove dead copper, pour order 165): 1503.94,1023.62 1688.98,838.58 1688.98,688.98 1885.83,492.13 2626.11,492.13 2637.8,480.44 2637.8,0 1503.94,0
M3 on Layer 3 "M3_L04_P068" (solid, remove dead copper, pour order 68): 1814.96,1600.31 1726.46,1600.31 1700.79,1625.98 1700.79,1748.03 1665.35,1783.46 1509.82,1783.46 1503.94,1777.59 1503.94,933.07 1511.81,925.2 1700.79,925.2 1866.14,1090.55 1866.14,1173.36 1814.96,1224.54 1814.96,1295.28